# KiCad board keyboard0.kicad_pcb (continued)
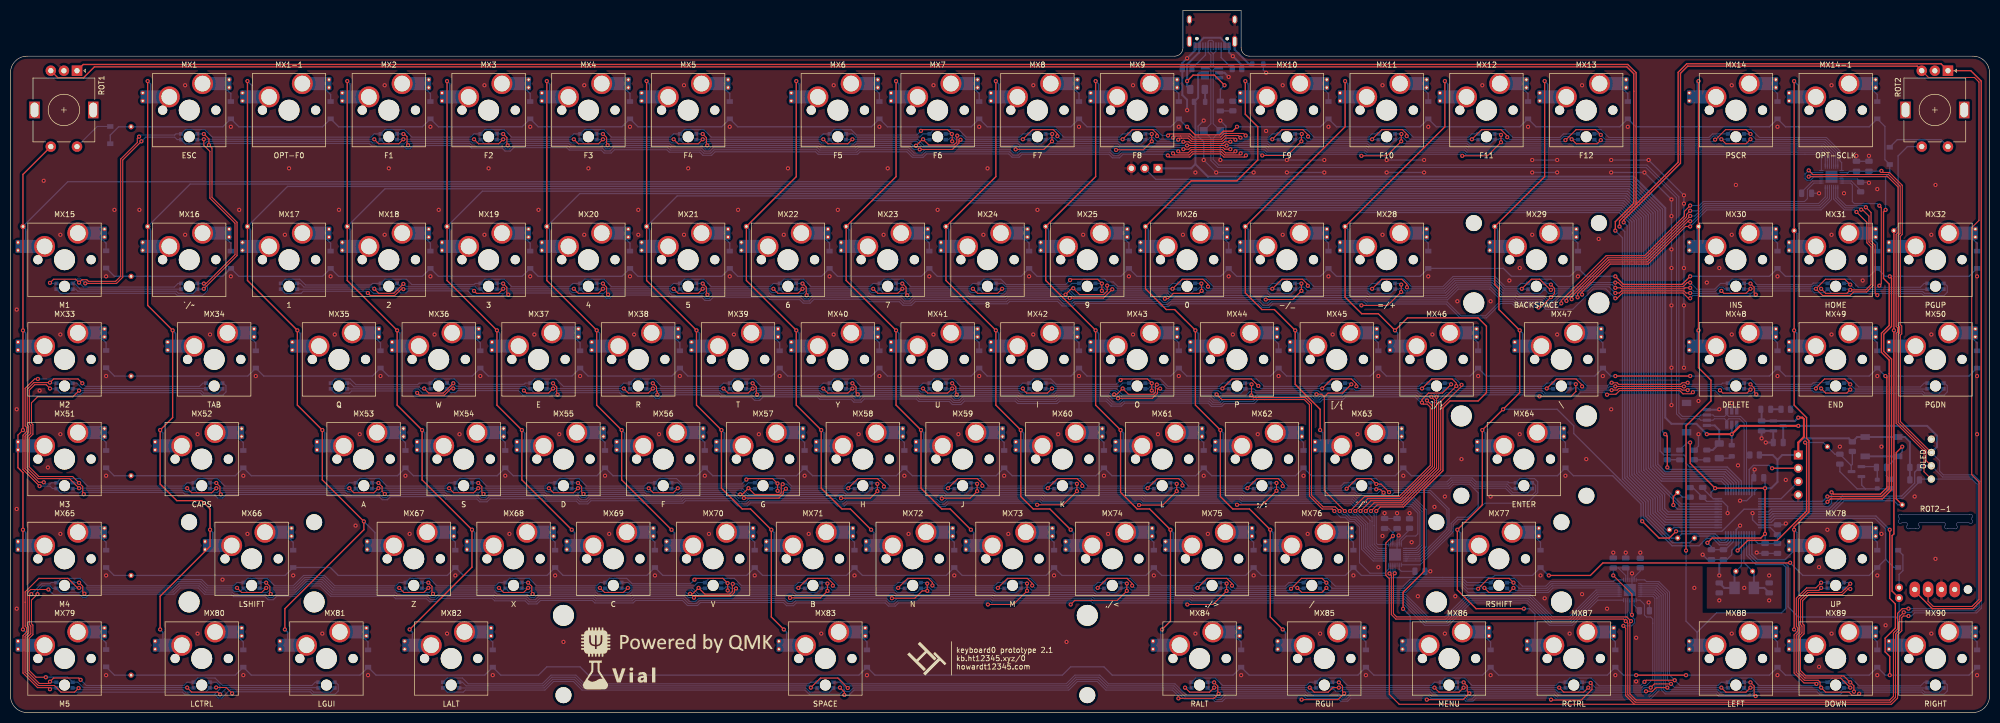
[diagram p0: board, top side]
## Routing (per net, layer and track width the routed paths; a pad name or vN(x,y) marks a point on that pad's centre or on a via; arc(x,y) is an arc through that point) (continued)
3CA4: length 405.7
  Top w0.2: v1(39.26,4.79) 41.18,4.79 v1(42.31,3.66) ; v1(186.59,20.64) 191.46,20.64 v1(194.06,23.24) v1(194.06,24.64) ; v1(7.24,23.51) 3.83,23.51 3.21,22.88 3.21,16.65 3.48,16.38 3.48,15.22 2.78,14.52 2.78,7.71 5.33,5.16 8.4,5.16 9.67,3.89 12.23,3.89 v1(13,4.66)
  Bottom w0.2: LED65.2 12.97,4.69 v1(13,4.66) 13.3,4.36 32.94,4.36 33.41,3.89 37.26,3.89 LED66.2 39.17,4.69 v1(39.26,4.79) ; v1(42.31,3.66) 42.61,3.96 57.21,3.96 57.68,3.49 61.96,3.49 62.57,4.1 62.57,5.28 62.06,5.79 ; LED76.1 193.86,24.84 v1(194.06,24.64) ; v1(7.24,23.51) 8.21,22.54 13.24,22.54 13.77,22.01 14.45,22.01 15.05,22.61 31.22,22.61 32.41,23.8 35.84,23.8 37.03,22.61 42.13,22.61 42.6,22.14 48.59,22.14 49.18,21.55 50.18,21.55 50.84,22.21 54.8,22.21 56.78,24.19 59.1,24.19 61.08,22.21 73.08,22.21 73.55,21.74 79.43,21.74 79.99,21.18 81.33,21.18 81.96,21.81 91.96,21.81 92.43,21.34 98.25,21.34 98.84,20.74 100.51,20.74 101.17,21.41 111.07,21.41 111.54,20.94 118.86,20.94 119.33,21.41 128.28,21.41 129.24,20.45 131.14,20.45 131.71,21.01 147.55,21.01 148.15,20.41 149.49,20.41 150.02,20.94 167,20.94 167.6,20.34 168.93,20.34 169.53,20.94 186.29,20.94 v1(186.59,20.64) ; v1(194.06,23.24) 194.36,22.94 206.83,22.94 207,22.78 207.23,22.54 225.49,22.54 225.89,22.14 266.2,22.14 270.49,17.86 273.99,17.86 278.28,22.14 290.01,22.14 294.3,17.86 297.69,17.86 302.85,23.01 I3.24
3CA5: length 315.5
  Top w0.2: v1(213.11,24.64) v1(213.11,23.24) 211.3,21.43 203.18,21.43 v1(202.39,20.64) ; v1(14.11,22.71) 13.8,23.02 13.8,24.11 v1(13.1,24.81)
  Bottom w0.2: v1(13.1,24.81) 13.07,24.84 LED68.1 ; v1(14.11,22.71) 14.41,23.01 31.05,23.01 32.24,24.2 36.01,24.2 37.2,23.01 42.3,23.01 42.77,22.54 48.76,22.54 49.35,21.95 50.02,21.95 50.67,22.61 54.64,22.61 56.62,24.59 59.26,24.59 61.24,22.61 73.24,22.61 73.71,22.14 79.6,22.14 80.16,21.58 81.16,21.58 81.79,22.21 92.13,22.21 92.6,21.74 98.41,21.74 99.01,21.14 100.34,21.14 101.01,21.81 111.24,21.81 111.71,21.34 118.69,21.34 119.16,21.81 128.44,21.81 129.41,20.85 130.98,20.85 131.54,21.41 147.72,21.41 148.32,20.81 149.32,20.81 149.85,21.34 167.16,21.34 167.76,20.74 168.77,20.74 169.37,21.34 186.95,21.34 187.35,20.94 202.09,20.94 v1(202.39,20.64) ; v1(213.11,24.64) 212.91,24.84 LED77.1 ; v1(213.11,23.24) 213.41,22.94 225.71,22.94 226.11,22.54 266.36,22.54 270.65,18.26 273.83,18.26 278.11,22.54 290.18,22.54 294.46,18.26 297.53,18.26 302.69,23.41 I3.25
3CA6: length 274.5
  Top w0.2: v1(49.68,22.65) 49.51,22.82 49.51,24.11 v1(48.81,24.81) ; v1(224.66,20.64) 229.56,20.64 v1(232.16,23.24) v1(232.16,24.64)
  Bottom w0.2: 286.49,22.94 LED80.2 ; 286.49,22.94 287.24,22.94 293.59,22.94 294.47,23.81 I3.26 ; 286.49,22.94 278.27,22.94 277.04,24.17 267.59,24.17 266.36,22.94 232.46,22.94 v1(232.16,23.24) ; LED69.1 48.78,24.84 v1(48.81,24.81) ; v1(49.68,22.65) 50.04,23.01 54.47,23.01 56.45,24.99 59.43,24.99 61.41,23.01 73.41,23.01 73.88,22.54 79.76,22.54 80.32,21.98 81,21.98 81.63,22.61 92.29,22.61 92.76,22.14 98.58,22.14 99.17,21.54 100.18,21.54 100.84,22.21 111.4,22.21 111.87,21.74 118.53,21.74 119,22.21 128.61,22.21 129.57,21.25 130.81,21.25 131.38,21.81 147.88,21.81 148.48,21.21 149.15,21.21 149.69,21.74 167.33,21.74 167.93,21.14 168.6,21.14 169.2,21.74 187.12,21.74 187.52,21.34 206.17,21.34 206.57,20.94 224.36,20.94 v1(224.66,20.64) ; 250.78,22.94 LED79.2 ; LED78.1 231.96,24.84 v1(232.16,24.64)
3CA7: length 246.7
  Top w0.2: v1(286.92,23.81) 286.05,22.94 282.24,22.94 v1(281.37,23.81) ; v1(79.77,24.81) 80.47,24.11 80.47,22.87 v1(80.66,22.68) ; v1(130.48,21.95) 130.75,22.22 137.48,22.22 138.2,22.95 138.2,23.41 v1(138.5,23.71) ; v1(251.21,24.81) 250.38,25.64 246.46,25.64 v1(244.46,23.64)
  Bottom w0.2: LED79.1 251.18,24.84 v1(251.21,24.81) 252.28,23.74 266.03,23.74 267.26,24.97 277.37,24.97 278,24.34 280.51,24.34 281.04,23.81 v1(281.37,23.81) 281.44,23.74 LED80.3 ; LED73.2 136.3,23.74 136.58,24.02 137.25,24.02 137.56,23.71 v1(138.5,23.71) 138.8,23.41 149.62,23.41 150.08,22.94 153.93,22.94 LED74.2 155.43,23.74 155.63,23.94 156.3,23.94 156.83,23.41 168.85,23.41 169.32,22.94 172.98,22.94 LED75.2 174.47,23.74 174.67,23.94 175.35,23.94 175.88,23.41 187.71,23.41 188.18,22.94 192.03,22.94 LED76.2 193.52,23.74 193.72,23.94 194.4,23.94 194.93,23.41 206.93,23.41 207.4,22.94 211.08,22.94 LED77.2 212.57,23.74 212.77,23.94 213.44,23.94 213.98,23.41 225.81,23.41 226.28,22.94 230.13,22.94 LED78.2 231.62,23.74 231.82,23.94 232.49,23.94 233.09,23.34 244.16,23.34 v1(244.46,23.64) ; LED70.1 79.74,24.84 v1(79.77,24.81) ; v1(286.92,23.81) 287.39,23.34 293.43,23.34 294.3,24.21 I3.27 ; v1(130.48,21.95) 129.44,21.95 128.78,22.61 118.83,22.61 118.36,22.14 112.04,22.14 111.57,22.61 100.68,22.61 100.01,21.94 99.34,21.94 98.74,22.54 92.93,22.54 92.46,23.01 80.99,23.01 v1(80.66,22.68)
3CA8: length 238.1
  Top w0.2: v1(251.21,23.81) 250.34,22.94 246.52,22.94 v1(245.65,23.81) ; v1(188.5,23.81) 190.33,25.64 194.1,25.64 195.05,24.69 v1(195.05,24.28) ; v1(176,24.28) 176,24.84 175.2,25.64 171.29,25.64 v1(169.45,23.81) ; v1(233.18,24.24) 233.18,24.65 232.19,25.64 228.43,25.64 v1(226.6,23.81) ; v1(156.99,24.24) 156.99,24.65 156,25.64 152.24,25.64 v1(150.41,23.81) ; v1(286.92,24.81) 286.09,25.64 282.16,25.64 280.18,23.66 v1(280.18,23.64) ; v1(214.13,24.24) 214.13,24.65 213.14,25.64 209.38,25.64 v1(207.55,23.81) ; v1(137.89,24.58) 137.8,24.49 137.8,23.11 137.31,22.62 132.55,22.62 v1(131.36,23.81) 130.23,22.68 v1(129.74,22.68) ; v1(99.68,22.64) 99.52,22.8 99.52,24.11 v1(98.82,24.81)
  Bottom w0.2: v1(131.36,23.81) 131.43,23.74 LED73.3 ; LED75.3 169.52,23.74 v1(169.45,23.81) 157.42,23.81 v1(156.99,24.24) ; I3.28 294.13,24.61 293.26,23.74 287.99,23.74 v1(286.92,24.81) 286.89,24.84 LED80.1 ; v1(280.18,23.64) 278.13,23.64 277.21,24.57 267.42,24.57 266.2,23.34 251.68,23.34 v1(251.21,23.81) ; LED77.3 207.62,23.74 v1(207.55,23.81) 195.52,23.81 v1(195.05,24.28) ; v1(129.74,22.68) 129.27,22.68 128.94,23.01 118.67,23.01 118.2,22.54 112.2,22.54 111.73,23.01 100.04,23.01 v1(99.68,22.64) ; v1(176,24.28) 176.47,23.81 v1(188.5,23.81) 188.57,23.74 LED76.3 ; LED71.1 98.78,24.84 v1(98.82,24.81) ; LED78.3 226.67,23.74 v1(226.6,23.81) 214.57,23.81 v1(214.13,24.24) ; LED74.3 150.48,23.74 v1(150.41,23.81) 139.44,23.81 138.67,24.58 v1(137.89,24.58) ; v1(233.18,24.24) 233.68,23.74 243.52,23.74 244.12,24.34 244.8,24.34 245.33,23.81 v1(245.65,23.81) 245.72,23.74 LED79.3
3CA9: length 202.1
  Bottom w0.2: I3.1 306.32,25.35 305.98,25.01 303.21,25.01 303.21,25.01 293.97,25.01 293.1,24.14 288.63,24.14 287.13,25.64 283.39,25.64 LED80.4 278.06,24.84 277.54,25.37 267.09,25.37 265.86,24.14 252.91,24.14 251.41,25.64 247.68,25.64 LED79.4 244.06,24.84 243.36,24.14 234.32,24.14 232.82,25.64 228.63,25.64 LED78.4 226.6,24.84 225.97,24.21 215.2,24.21 213.77,25.64 209.58,25.64 LED77.4 207.55,24.84 206.92,24.21 196.15,24.21 194.72,25.64 190.53,25.64 LED76.4 188.5,24.84 187.87,24.21 177.1,24.21 175.67,25.64 171.48,25.64 LED75.4 169.45,24.84 168.82,24.21 158.05,24.21 156.62,25.64 152.43,25.64 LED74.4 150.4,24.84 149.77,24.21 139.6,24.21 138.17,25.64 133.39,25.64 LED73.4 131.2,24.84 130.57,24.21 118.5,24.21 117.87,24.84 LED72.1
3CB1: length 200.1
  Top w0.2: v1(345.66,24.81) 344.66,23.81 342.88,23.81 340.92,21.85 340.92,16.45 341.2,16.18 341.2,15.54 340.5,14.84 340.5,7.54 342.38,5.66 344.57,5.66 v1(344.76,5.46) ; v1(317.7,6.18) 312.24,6.18 v1(311.92,5.86)
  Bottom w0.2: I3.7 311.97,25.35 312.31,25.01 314.68,25.01 316.71,22.99 316.71,7.17 v1(317.7,6.18) 318.72,5.16 325.97,5.16 326.6,5.79 LED84.4 328.64,6.59 332.37,6.59 333.8,5.16 344.46,5.16 v1(344.76,5.46) 345.09,5.79 LED83.4 ; LED81.4 365.34,5.79 364.64,5.09 352.92,5.09 351.42,6.59 347.79,6.59 346.99,5.79 ; LED85.4 226.25,6.59 229.98,6.59 231.41,5.16 247.4,5.16 248.03,5.79 LED86.4 250.06,6.59 253.83,6.59 255.26,5.16 271.21,5.16 271.84,5.79 LED87.4 273.87,6.59 277.6,6.59 279.03,5.16 295.02,5.16 295.65,5.79 LED88.4 297.68,6.59 301.76,6.59 303.26,5.09 311.11,5.09 311.87,5.86 v1(311.92,5.86) ; LED82.4 345.69,24.84 v1(345.66,24.81)
3CB2: length 211.8
  Top w0.2: v1(345.66,23.81) 345.19,23.34 342.98,23.34 341.32,21.69 341.32,16.64 341.6,16.36 341.6,15.37 340.9,14.67 340.9,7.71 342.44,6.16 345.1,6.16 345.46,5.8 345.46,4.96 v1(345.66,4.76) 346.53,3.89 350.98,3.89 351.58,3.29 352.55,3.29 352.85,3.59 v1(352.92,3.59) ; v1(295.65,4.76) 296.52,3.89 300.34,3.89 v1(301.21,4.76) ; v1(224.22,4.76) 225.09,3.89 228.91,3.89 v1(229.78,4.76) ; v1(326.61,4.76) 327.48,3.89 331.29,3.89 v1(332.16,4.76) ; v1(271.84,4.76) 272.71,3.89 276.53,3.89 v1(277.4,4.76) ; v1(253.59,4.76) 252.4,4.76 251.53,3.89 248.9,3.89 v1(248.03,4.76) ; v1(313.11,4.76) 313.82,5.47 v1(317,5.47)
  Bottom w0.2: LED82.3 345.73,23.74 v1(345.66,23.81) ; v1(253.59,4.76) v1(271.84,4.76) 271.91,4.69 LED87.3 ; LED84.3 326.68,4.69 v1(326.61,4.76) 317.7,4.76 v1(317,5.47) 316.31,6.16 316.31,22.82 314.52,24.61 I3.8 ; v1(313.11,4.76) 311.91,4.76 311.44,4.29 301.68,4.29 v1(301.21,4.76) ; LED86.3 248.1,4.69 v1(248.03,4.76) v1(229.78,4.76) ; v1(352.92,3.59) 352.92,3.69 353.12,3.89 364.88,3.89 365.28,3.49 369.12,3.49 369.73,4.1 369.73,5.28 369.22,5.79 ; LED88.3 295.72,4.69 v1(295.65,4.76) v1(277.4,4.76) ; v1(332.16,4.76) v1(345.66,4.76) 345.73,4.69 LED83.3 ; v1(224.22,4.76) 224.29,4.69 LED85.3
3CB3: length 203.3
  Top w0.2: v1(351.21,4.76) 349.38,6.59 342.58,6.59 341.3,7.87 341.3,14.51 342,15.21 342,16.53 341.72,16.8 341.72,21.52 343.14,22.94 349.55,22.94 v1(351.21,24.6) ; v1(316.29,4.76) 314.15,4.76 313.45,4.06 v1(312.22,4.06)
  Bottom w0.2: v1(312.22,4.06) 312.05,3.89 300.78,3.89 LED88.2 299.18,3.89 295.49,3.89 295.02,4.36 278.03,4.36 277.73,4.06 276.8,4.06 LED87.2 275.37,3.89 271.68,3.89 271.21,4.36 254.22,4.36 253.92,4.06 252.99,4.06 LED86.2 251.56,3.89 247.86,3.89 247.4,4.36 230.41,4.36 230.11,4.06 229.18,4.06 LED85.2 ; LED81.3 351.28,4.69 v1(351.21,4.76) 351.14,4.69 LED83.2 349.18,3.89 345.49,3.89 345.02,4.36 332.8,4.36 332.5,4.06 331.57,4.06 LED84.2 330.14,3.89 326.44,3.89 325.97,4.36 316.69,4.36 v1(316.29,4.76) 315.91,5.14 315.91,22.66 314.35,24.21 I3.9 ; v1(351.21,24.6) 350.98,24.84 LED82.1
3CB4: length 116.9
  Top w0.2: v1(351.21,23.6) 350.78,23.6 349.72,22.54 343.31,22.54 342.12,21.36 342.12,16.97 342.4,16.69 342.4,15.04 341.7,14.34 341.7,8.04 342.74,6.99 349.98,6.99 v1(351.21,5.76) 351.25,5.76 351.91,5.1 351.91,4 v1(351.92,3.99)
  Bottom w0.2: LED83.1 351.18,5.79 v1(351.21,5.76) ; LED81.2 368.23,3.89 365.44,3.89 365.04,4.29 352.22,4.29 v1(351.92,3.99) 349.85,3.99 349.35,3.49 345.32,3.49 344.85,3.96 332.97,3.96 332.5,3.49 326.27,3.49 325.81,3.96 316.05,3.96 315.51,4.51 315.51,22.49 314.18,23.81 I3.10 ; LED82.2 351.08,23.74 v1(351.21,23.6)
3CB5: length 45.3
  Top w0.2: v1(333.14,3.15) 332.86,3.43 332.86,5.06 v1(332.16,5.76)
  Bottom w0.2: v1(333.14,3.15) 333.09,3.09 326.11,3.09 325.64,3.56 315.89,3.56 315.11,4.34 315.11,22.32 314.02,23.41 I3.11 ; v1(332.16,5.76) 332.13,5.79 LED84.1
3CB6: length 263.1
  Top w0.2: v1(222.96,2.71) 229.75,2.71 v1(230.64,3.6) 230.48,3.76 230.48,5.06 v1(229.78,5.76) ; v1(159.19,3.36) 159.19,3.92 v1(158.34,4.76)
  Bottom w0.2: LED85.1 229.75,5.79 v1(229.78,5.76) ; v1(158.34,4.76) 158.27,4.69 LED89.2 156.32,3.89 152.62,3.89 151.82,4.69 109.26,4.69 107.61,6.34 103.51,6.34 101.86,4.69 LED90.2 ; v1(222.96,2.71) 222.96,3.13 221.8,4.29 209.1,4.29 207.45,5.94 203.68,5.94 202.03,4.29 161.04,4.29 160.11,3.36 v1(159.19,3.36) ; I3.12 313.85,23.01 314.71,22.16 314.71,4.19 313.08,2.56 295.12,2.56 294.52,3.16 279.6,3.16 279,2.56 278,2.56 277.47,3.09 271.34,3.09 270.87,3.56 255.54,3.56 254.94,2.96 254.26,2.96 253.73,3.49 247.7,3.49 247.23,3.96 231,3.96 v1(230.64,3.6)
3CB7: length 267.6
  Top w0.2: v1(246.47,2.46) 253.4,2.46 v1(254.6,3.66) 254.29,3.98 254.29,5.06 v1(253.59,5.76)
  Bottom w0.2: 159.14,4.35 159.14,5 158.35,5.79 LED89.1 ; 159.14,4.35 159.5,3.99 160.17,3.99 160.88,4.69 201.87,4.69 203.52,6.34 207.62,6.34 209.27,4.69 221.97,4.69 224.04,2.62 229.44,2.62 229.97,2.1 231.3,2.1 231.97,2.76 246.17,2.76 v1(246.47,2.46) ; 159.14,4.35 158.28,3.49 152.45,3.49 151.65,4.29 109.1,4.29 107.45,5.94 103.68,5.94 102.03,4.29 86.84,4.29 86.44,3.89 83.38,3.89 LED90.3 ; v1(253.59,5.76) 253.56,5.79 LED86.1 ; I3.13 313.69,22.61 314.31,21.99 314.31,21.83 314.31,4.35 312.92,2.96 295.29,2.96 294.69,3.56 279.44,3.56 278.84,2.96 278.17,2.96 277.63,3.49 271.51,3.49 271.04,3.96 254.9,3.96 v1(254.6,3.66)
3CB8: length 261.9
  Top w0.2: v1(277.4,5.76) 278.1,5.06 278.1,4.07 v1(278.5,3.66) 277.3,2.46 v1(270.38,2.46) ; v1(159.84,4.69) 157.93,6.59 154.62,6.59 v1(152.79,4.76)
  Bottom w0.2: LED89.3 152.86,4.69 v1(152.79,4.76) 152.46,5.09 109.43,5.09 107.78,6.74 103.35,6.74 101.7,5.09 86.98,5.09 86.28,5.79 LED90.1 ; LED87.1 277.37,5.79 v1(277.4,5.76) ; v1(270.38,2.46) 270.08,2.76 255.87,2.76 255.27,2.16 253.93,2.16 253.4,2.69 247.37,2.69 246.9,3.16 231.8,3.16 231.14,2.5 230.13,2.5 229.61,3.02 224.21,3.02 222.13,5.09 209.43,5.09 207.78,6.74 203.35,6.74 201.7,5.09 160.24,5.09 v1(159.84,4.69) ; v1(278.5,3.66) 278.8,3.96 294.85,3.96 295.45,3.36 312.75,3.36 313.91,4.52 313.91,21.83 313.52,22.21 I3.14
3CB9: length 260.7
  Top w0.2: v1(301.66,5.66) 301.91,5.4 301.91,4.43 299.86,2.38 294.17,2.38 v1(294.09,2.46)
  Bottom w0.2: LED90.4 83.38,6.59 86.27,6.59 87.37,5.49 101.53,5.49 103.18,7.14 107.94,7.14 109.59,5.49 152.45,5.49 152.75,5.79 LED89.4 ; 154.12,5.79 154.92,6.59 158.11,6.59 159.21,5.49 201.54,5.49 203.19,7.14 207.95,7.14 209.6,5.49 222.3,5.49 224.37,3.42 229.78,3.42 230.3,2.9 230.97,2.9 231.64,3.56 247.06,3.56 247.53,3.09 253.57,3.09 254.1,2.56 255.1,2.56 255.7,3.16 270.71,3.16 271.18,2.69 277.3,2.69 277.83,2.16 279.17,2.16 279.77,2.76 293.68,2.76 293.98,2.46 v1(294.09,2.46) ; LED88.1 301.52,5.79 v1(301.66,5.66) 302.62,4.69 311.27,4.69 311.74,5.16 312.32,5.16 313.51,6.35 313.51,17.07 313.51,17.07 313.51,17.86 313.11,18.26 312.32,18.26 311.92,18.65 311.92,20.64 311.08,21.48 I3.15
A9: length 171.6
  Top w0.25: v1(315.89,53.18) 316.29,52.78 v1(316.29,46.83)
  Bottom w0.25: U14.30 329.93,44.06 327.53,46.46 316.66,46.46 v1(316.29,46.83) ; J3.2 218.62,101.87 309.68,101.87 315.38,96.17 315.38,53.69 v1(315.89,53.18) 316.29,52.78 R2.1
BOOT0: length 54.4
  Top w0.25: v1(361.13,50.8) 360,49.66 360,40.82 BOOT0.1
  Bottom w0.25: BOOT0.1 360.32,39.69 359.55,40.46 350.04,40.46 347.57,37.99 336.51,37.99 335.86,37.35 U14.44 ; 360.23,48.95 C2.2 358.12,45.2 R6.1 ; v1(361.13,50.8) 361.13,49.82 SW1.1
  Bottom w0.381: SW1.1 SW1.1
BOOT1: length 14.4
  Top w0.25: BOOT1.1 317.44,41.23 v1(317.44,39.64)
  Bottom w0.25: R27.2 319.19,41.15 BOOT1.1 ; v1(317.44,39.64) 318.24,38.85 U14.20
COL0: length 497.1
  Top w0.2: MX51.1 1.43,53.01 v1(2.38,53.97)
  Top w0.25: MX51.1 MX51.1 1.43,46.78 2.38,45.83 v1(2.38,34.92) v1(2.38,15.87) ; ROT1.S1 2.38,102.81 COL0.1 v1(2.38,73.02) v1(2.38,53.97)
  Bottom w0.25: 2.91,89.05 2.91,92.34 COL0.1 10.94,101.42 309.49,101.42 314.93,95.98 314.93,49.96 315.68,49.21 319.46,49.21 319.86,48.81 319.86,47.62 320.57,46.91 327.72,46.91 330.43,44.2 U14.31 ; v1(2.38,15.87) 2.91,15.35 2.91,12.86 ; 2.91,50.96 2.91,53.44 v1(2.38,53.97) ; v1(2.38,34.92) 2.91,34.39 2.91,31.91 ; 2.91,70 2.91,72.49 v1(2.38,73.02)
COL1: length 498.8
  Top w0.25: v1(28.57,15.87) 28.57,22.22 38.1,31.75 v1(38.1,34.92) 38.1,38.89 36.51,40.48 31.75,40.48 28.57,43.65 v1(28.57,53.97) 30.95,56.35 v1(30.95,73.02) 26.19,77.78 COL1.1 v1(26.19,120.64)
  Bottom w0.25: 26.72,89.05 26.72,92.34 COL1.1 34.3,100.97 309.3,100.97 314.48,95.8 314.48,47.45 315.92,46.01 327.34,46.01 329.43,43.92 U14.29 ; 38.62,31.91 38.62,34.4 v1(38.1,34.92) ; 26.72,117.63 26.72,120.12 v1(26.19,120.64) ; 29.1,12.86 29.1,15.35 v1(28.57,15.87) ; 29.1,50.96 29.1,53.44 v1(28.57,53.97) ; 31.48,70 31.48,72.49 v1(30.95,73.02)
COL2: length 483
  Top w0.25: v1(52.38,15.87) 52.38,19.84 67.46,34.92 v1(67.46,36.51) 59.53,44.45 v1(59.53,53.97) 54.77,58.73 v1(54.77,73.02) 45.24,82.54 COL2.1 v1(45.24,120.64)
  Bottom w0.25: 69.58,31.91 69.58,34.4 v1(67.46,36.51) ; 60,50.96 60,53.5 v1(59.53,53.97) ; v1(45.24,120.64) 46.09,119.79 MX1-1.1 ; 52.91,12.86 52.91,15.35 v1(52.38,15.87) ; v1(54.77,73.02) 55.29,72.49 55.29,70 ; 45.77,89.05 45.77,92.34 COL2.1 52.9,100.52 309.12,100.52 314.03,95.61 314.03,47.26 315.73,45.56 327.16,45.56 328.93,43.79 U14.28
COL3: length 460
  Top w0.25: v1(76.2,15.87) 88.1,27.78 v1(88.1,34.92) 78.58,44.45 v1(78.58,53.97) 73.81,58.73 v1(73.81,73.02) 64.29,82.54 COL3.1 v1(64.29,120.64)
  Bottom w0.25: 79.1,50.96 79.1,53.44 v1(78.58,53.97) ; 64.82,117.63 64.82,120.12 v1(64.29,120.64) ; v1(76.2,15.87) 76.72,15.35 76.72,12.86 ; 74.34,70 74.34,72.49 v1(73.81,73.02) ; 88.63,31.91 88.63,34.4 v1(88.1,34.92) ; U14.27 328.43,43.65 326.97,45.11 315.54,45.11 313.58,47.08 313.58,95.43 308.93,100.07 71.5,100.07 COL3.1 64.82,92.34 64.82,89.05
COL4: length 412.7
  Top w0.25: v1(83.34,120.64) COL4.1 83.34,82.54 v1(92.86,73.02) 92.86,58.73 v1(97.63,53.97) 97.63,44.45 v1(107.15,34.92)
  Bottom w0.25: 98.15,50.96 98.15,53.44 v1(97.63,53.97) ; 83.87,89.05 83.87,92.34 COL4.1 90.08,99.61 308.76,99.61 313.13,95.24 313.13,46.89 315.36,44.66 326.78,44.66 327.93,43.52 U14.26 ; v1(107.15,34.92) 107.68,34.4 107.68,31.91 ; 93.39,70 93.39,72.49 v1(92.86,73.02) ; v1(83.34,120.64) 83.87,120.12 83.87,117.63
COL5: length 392.7
  Top w0.25: v1(126.2,34.92) 116.67,44.45 v1(116.67,53.97) 111.91,58.73 v1(111.91,73.02) 102.39,82.54 COL5.1 v1(102.39,120.64)
  Bottom w0.25: 102.91,89.05 102.91,92.34 COL5.1 108.68,99.16 308.57,99.16 312.68,95.05 312.68,46.7 315.17,44.21 326.6,44.21 327.43,43.38 U14.25 ; v1(126.2,34.92) 126.73,34.4 126.73,31.91 ; 117.2,50.96 117.2,53.44 v1(116.67,53.97) ; v1(111.91,73.02) 112.44,72.49 112.44,70 ; 102.91,117.63 102.91,120.12 v1(102.39,120.64)
COL6: length 396.5
  Top w0.25: v1(147.63,15.87) 145.25,18.26 v1(145.25,34.92) 141.28,38.89 139.69,38.89 135.72,42.86 v1(135.72,53.97) 130.96,58.73 v1(130.96,73.02) 121.44,82.54 COL6.1 v1(121.44,120.64)
  Bottom w0.25: 145.77,31.91 145.77,34.4 v1(145.25,34.92) ; 148.16,12.86 148.16,15.35 v1(147.63,15.87) ; 131.49,70 131.49,72.49 v1(130.96,73.02) ; U14.22 318.9,39.85 312.23,46.52 312.23,94.87 308.38,98.71 127.28,98.71 COL6.1 121.96,92.34 121.96,89.05 ; 136.25,50.96 136.25,53.44 v1(135.72,53.97) ; 121.96,117.63 121.96,120.12 v1(121.44,120.64)
COL7: length 357.9
  Top w0.25: v1(164.3,34.92) 160.33,38.89 158.74,38.89 154.77,42.86 v1(154.77,53.97) 150.01,58.73 v1(150.01,73.02) 140.48,82.54 COL7.1 150.01,102.39 v1(150.01,120.64)
  Bottom w0.25: v1(164.3,34.92) 164.82,34.4 164.82,31.91 ; v1(150.01,120.64) 150.54,120.12 150.54,117.63 ; U14.21 318.76,39.35 311.78,46.33 311.78,46.34 311.78,94.68 308.2,98.26 145.88,98.26 COL7.1 141.01,92.34 141.01,89.05 ; v1(154.77,53.97) 155.3,53.44 155.3,50.96 ; v1(150.01,73.02) 150.54,72.49 150.54,70
COL8: length 340.5
  Top w0.25: v1(169.06,120.64) 169.06,102.39 COL8.1 159.53,82.54 v1(169.06,73.02) 169.06,58.73 v1(173.82,53.97) 173.82,42.86 177.79,38.89 179.38,38.89 v1(183.34,34.92)
  Bottom w0.25: 160.06,89.05 160.06,92.34 COL8.1 164.48,97.81 308.01,97.81 311.33,94.49 311.33,46.15 315.79,41.69 315.79,39.01 316.45,38.35 U14.19 ; 174.35,50.96 174.35,53.44 v1(173.82,53.97) ; 169.59,117.63 169.59,120.12 v1(169.06,120.64) ; v1(183.34,34.92) 183.87,34.4 183.87,31.91 ; v1(169.06,73.02) 169.59,72.49 169.59,70
COL9: length 322.2
  Top w0.25: v1(188.11,120.64) 188.11,102.39 COL9.1 178.58,82.54 v1(188.11,73.02) 188.11,58.73 v1(192.87,53.97) 192.87,41.27 195.25,38.89 198.43,38.89 v1(202.39,34.92)
  Bottom w0.25: v1(202.39,34.92) 202.92,34.4 202.92,31.91 ; 188.63,70 188.63,72.49 v1(188.11,73.02) ; 193.4,50.96 193.4,53.44 v1(192.87,53.97) ; 179.11,89.05 179.11,92.34 COL9.1 183.08,97.36 307.82,97.36 310.88,94.31 310.88,45.96 315.34,41.5 315.34,38.83 316.31,37.85 U14.18 ; v1(188.11,120.64) 188.63,120.12 188.63,117.63
COL10: length 325.3
  Top w0.25: v1(207.16,120.64) 207.16,102.39 COL10.1 197.63,82.54 v1(207.16,73.02) 207.16,58.73 v1(211.92,53.97) 211.92,42.07 215.09,38.89 217.47,38.89 v1(221.44,34.92) 221.44,17.46 v1(219.85,15.87)
  Bottom w0.25: 221.97,31.91 221.97,34.4 v1(221.44,34.92) ; v1(207.16,120.64) 207.68,120.12 207.68,117.63 ; v1(207.16,73.02) 207.68,72.49 207.68,70 ; 212.44,50.96 212.44,53.44 v1(211.92,53.97) ; 219.59,12.86 219.59,15.61 v1(219.85,15.87) ; U14.17 316.18,37.35 314.89,38.64 314.89,41.31 310.43,45.77 310.43,94.12 307.64,96.91 201.68,96.91 COL10.1 198.16,92.34 198.16,89.05
COL11: length 319
  Top w0.25: v1(235.73,120.64) 235.73,114.29 238.11,111.91 238.11,105.56 234.14,101.59 225.41,101.59 COL11.1 216.68,80.96 220.65,76.99 222.24,76.99 v1(226.2,73.02) 226.2,58.73 v1(230.97,53.97) 230.97,41.27 233.35,38.89 236.52,38.89 v1(240.49,34.92) 240.49,18.26 v1(242.87,15.87)
  Bottom w0.25: 236.26,117.63 236.26,120.12 v1(235.73,120.64) ; 241.02,31.91 241.02,34.4 v1(240.49,34.92) ; v1(230.97,53.97) 231.49,53.44 231.49,50.96 ; v1(242.87,15.87) 243.4,15.35 243.4,12.86 ; 217.21,89.05 217.21,92.34 COL11.1 220.25,96.43 307.48,96.43 309.98,93.93 309.98,45.59 314.44,41.13 314.44,38.45 316.04,36.85 U14.16 ; 226.73,70 226.73,72.49 v1(226.2,73.02)
COL12: length 241.8
  Top w0.25: v1(254.78,120.64) 254.78,111.91 COL12.1 235.73,80.16 238.9,76.99 241.28,76.99 v1(245.25,73.02) 245.25,62.7 250.02,57.94 v1(250.02,53.97)
  Bottom w0.25: 236.26,89.05 236.26,92.34 COL12.1 238.85,95.98 307.29,95.98 309.53,93.75 309.53,45.4 313.99,40.94 313.99,38.27 315.91,36.35 U14.15 ; 250.54,50.96 250.54,53.44 v1(250.02,53.97) ; 245.78,70 245.78,72.49 v1(245.25,73.02) ; 255.3,117.63 255.3,120.12 v1(254.78,120.64)
COL13: length 289.1
  Top w0.25: v1(265.85,19.8) 265.85,22.98 269.86,26.99 269.86,42.61 273.46,46.21 273.46,58.19 274.8,59.53 280.18,59.53 281.76,61.11 281.76,73.81 280.18,75.4 266.68,75.4 v1(264.3,73.02) 261.13,76.2 257.95,76.2 254.78,79.37 COL13.1 273.83,111.91 v1(273.83,120.64)